# KiCad board shek.kicad_pcb (continued)
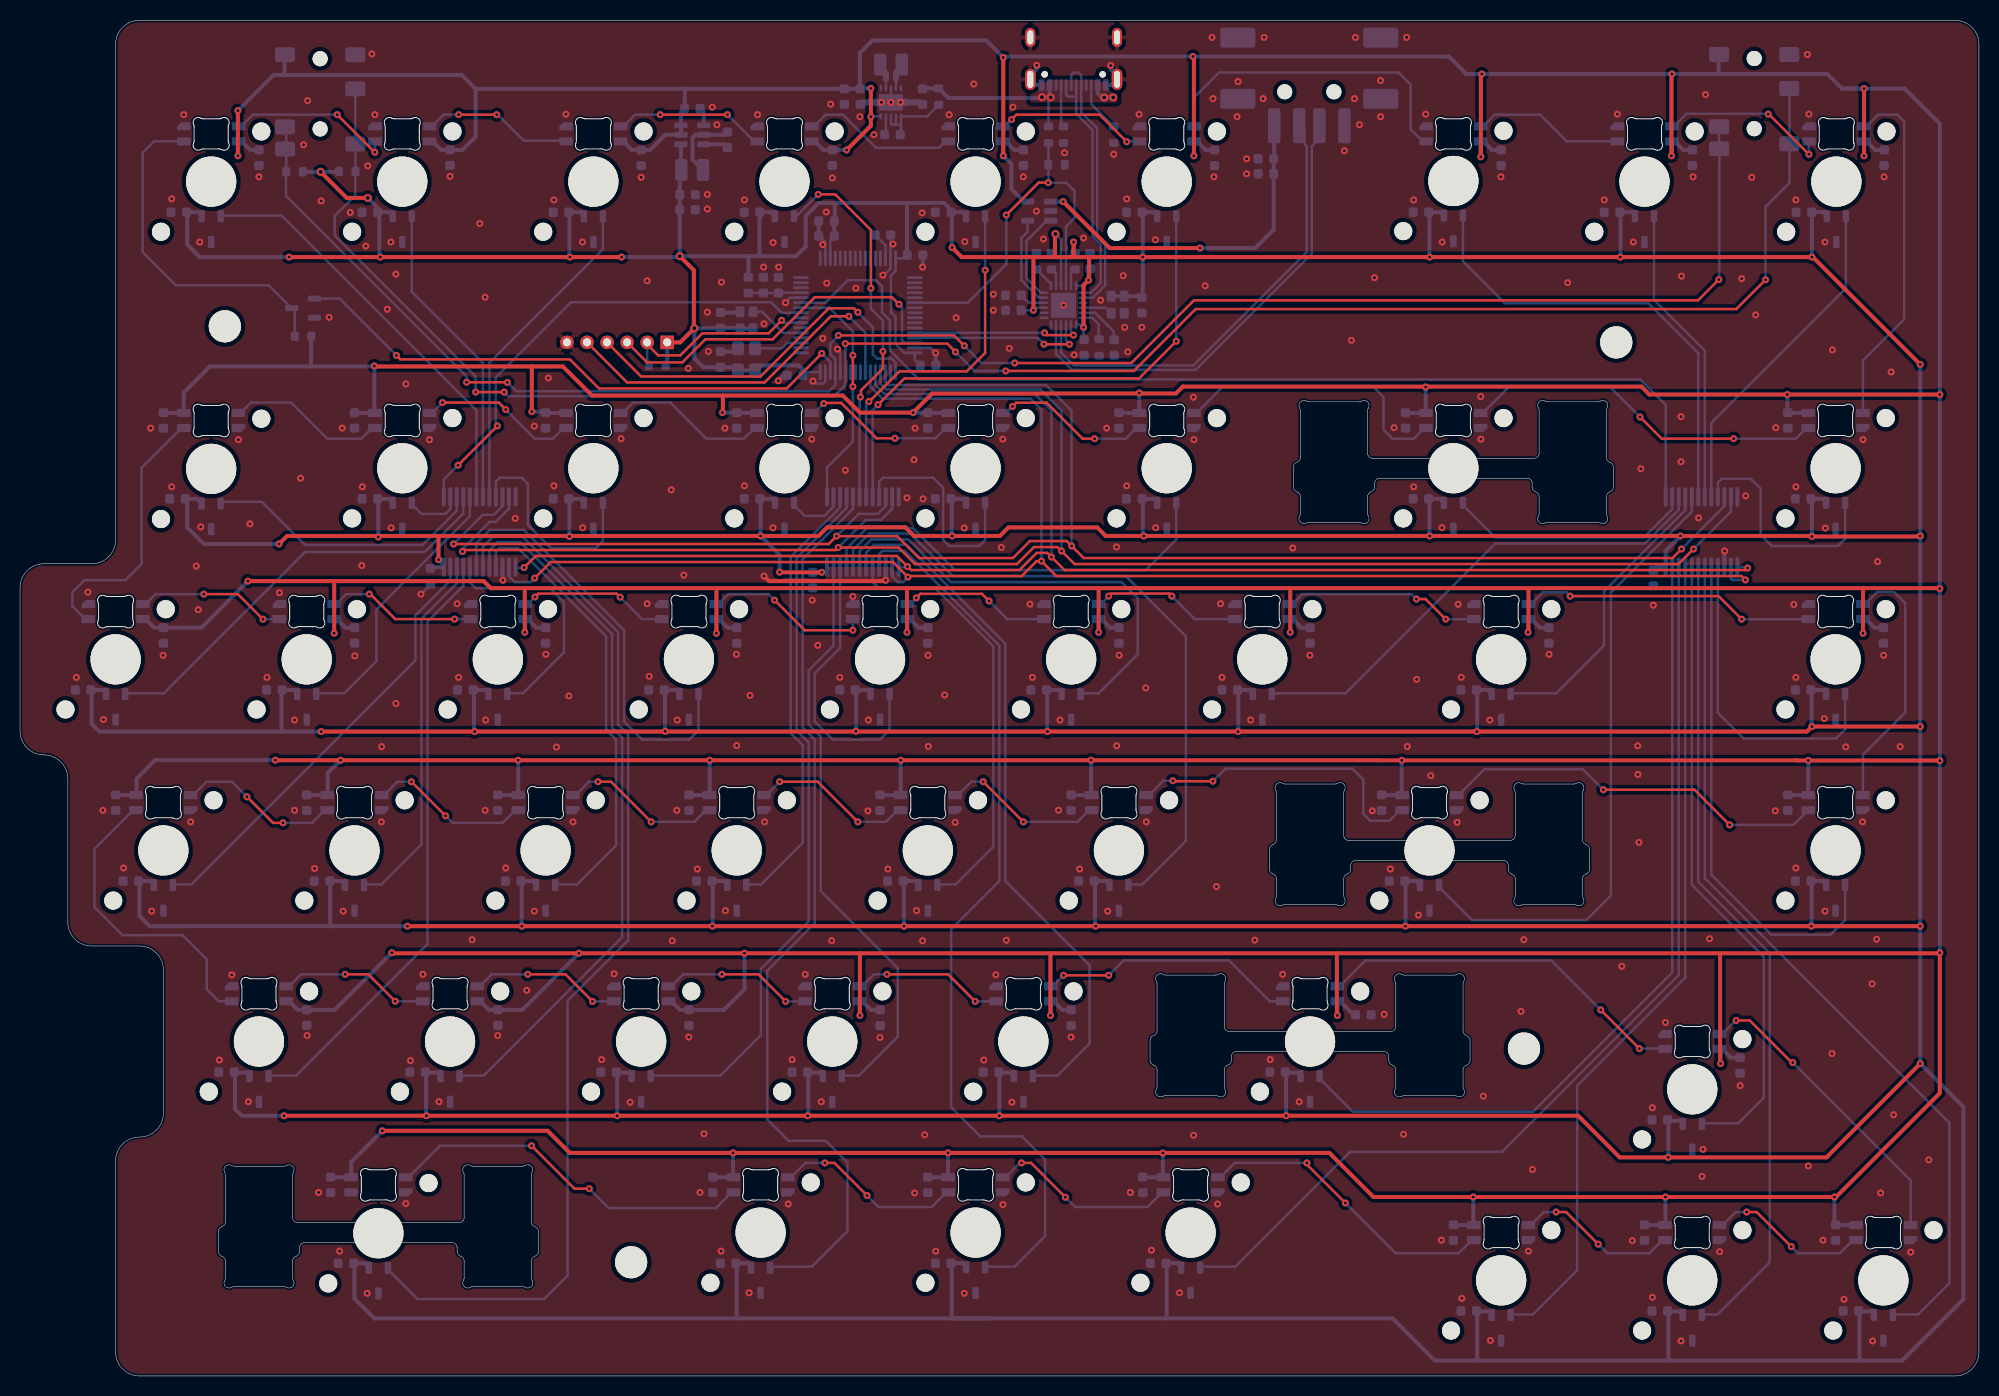
[diagram p0: board, top side]
## Footprints (pads in the part's own frame, mm; a bottom-side part is the same pattern mirrored in y, then rotated)
629104190121
  round 1.5 hole 1.5 unplated: (-2.45,2.9) (2.45,2.9)
  rrect 1.25x3.5 smd: 1(-3.5,6.28) 2(-1,6.28) 3(1,6.28) 4(3.5,6.28)
  rrect 3.5x2 smd: S1(-7.125,3.6) S2(7.125,3.6) S3(-7.125,-2.5) S4(7.125,-2.5)
AMPHENOL_12402012E212A
  round 0.65 hole 0.65 unplated: (-2.89,3.68) (2.89,3.68)
  rrect 0.6x1.14 smd: A1_B12(-3.2,4.75) A4_B9(-2.4,4.75) B1_A12(3.2,4.75) B4_A9(2.4,4.75)
  rrect 0.3x1.14 smd: A5(-1.25,4.75) A6(-0.25,4.75) A7(0.25,4.75) A8(1.25,4.75) B5(1.75,4.75) B6(0.75,4.75) B7(-0.75,4.75) B8(-1.75,4.75)
  oval 1.05x2.1 hole 0.6x1.7: SH1(-4.32,4.18) SH2(4.32,4.18)
  oval 1x1.9 hole 0.6x1.4: SH3(-4.32,0) SH4(4.32,0)
C_0603_1608Metric
  rrect 0.9x0.95 smd: 1(-0.775,0) 2(0.775,0)
Crystal_SMD_Abracon_ABM8G-4Pin_3.2x2.5mm_silkmod
  rrect 1.4x1.2 smd: 1(-1.1,-0.85) 2(1.1,-0.85) 3(1.1,0.85) 4(-1.1,0.85)
HVQFN-24-1EP_4x4mm_P0.5mm_EP2.5x2.5mm
  rrect 1.01x1.01 smd: (-0.625,-0.625) (-0.625,0.625) (0.625,-0.625) (0.625,0.625)
  rrect 0.875x0.25 smd: 1(-1.938,1.25) 2(-1.938,0.75) 3(-1.938,0.25) 4(-1.938,-0.25) 5(-1.938,-0.75) 6(-1.938,-1.25) 13(1.938,-1.25) 14(1.938,-0.75) 15(1.938,-0.25) 16(1.938,0.25) 17(1.938,0.75) 18(1.938,1.25)
  rrect 0.25x0.875 smd: 7(-1.25,-1.938) 8(-0.75,-1.938) 9(-0.25,-1.938) 10(0.25,-1.938) 11(0.75,-1.938) 12(1.25,-1.938) 19(1.25,1.938) 20(0.75,1.938) 21(0.25,1.938) 22(-0.25,1.938) 23(-0.75,1.938) 24(-1.25,1.938)
  rect 2.5x2.5 smd: 25(0,0)
L_0603_1608Metric
  rrect 0.875x0.95 smd: 1(-0.787,0) 2(0.787,0)
L_1008_2520Metric
  rrect 1.25x2.2 smd: 1(-1.075,0) 2(1.075,0)
LED_choc_6028R
  rrect 1.35x0.82 smd: 1(-2.725,-0.75) 2(-2.725,0.75) 3(2.725,-0.75) 4(2.725,0.75)
LQFP-64_10x10mm_P0.5mm
  rrect 1.55x0.3 smd: 1(-5.675,3.75) 2(-5.675,3.25) 3(-5.675,2.75) 4(-5.675,2.25) 5(-5.675,1.75) 6(-5.675,1.25) 7(-5.675,0.75) 8(-5.675,0.25) 9(-5.675,-0.25) 10(-5.675,-0.75) 11(-5.675,-1.25) 12(-5.675,-1.75) 13(-5.675,-2.25) 14(-5.675,-2.75) 15(-5.675,-3.25) 16(-5.675,-3.75) 33(5.675,-3.75) 34(5.675,-3.25) 35(5.675,-2.75) 36(5.675,-2.25) 37(5.675,-1.75) 38(5.675,-1.25) 39(5.675,-0.75) 40(5.675,-0.25) 41(5.675,0.25) 42(5.675,0.75) 43(5.675,1.25) 44(5.675,1.75) 45(5.675,2.25) 46(5.675,2.75) 47(5.675,3.25) 48(5.675,3.75)
  rrect 0.3x1.55 smd: 17(-3.75,-5.675) 18(-3.25,-5.675) 19(-2.75,-5.675) 20(-2.25,-5.675) 21(-1.75,-5.675) 22(-1.25,-5.675) 23(-0.75,-5.675) 24(-0.25,-5.675) 25(0.25,-5.675) 26(0.75,-5.675) 27(1.25,-5.675) 28(1.75,-5.675) 29(2.25,-5.675) 30(2.75,-5.675) 31(3.25,-5.675) 32(3.75,-5.675) 49(3.75,5.675) 50(3.25,5.675) 51(2.75,5.675) 52(2.25,5.675) 53(1.75,5.675) 54(1.25,5.675) 55(0.75,5.675) 56(0.25,5.675) 57(-0.25,5.675) 58(-0.75,5.675) 59(-1.25,5.675) 60(-1.75,5.675) 61(-2.25,5.675) 62(-2.75,5.675) 63(-3.25,5.675) 64(-3.75,5.675)
MountingHole_3.2mm_M3
  round 3.2 hole 3.2 unplated: (0,0)
Oscillator_SMD_SeikoEpson_SG210-4Pin_2.5x2.0mm
  rrect 1.1x0.9 smd: 1(-0.85,-0.65) 2(0.85,-0.65) 3(0.85,0.65) 4(-0.85,0.65)
PinHeader_1x06_P2.00mm_Horizontal
  rect 1.35x1.35 hole 0.8: 1(0,0)
  round 1.35 hole 0.8: 2(0,-2) 3(0,-4) 4(0,-6) 5(0,-8) 6(0,-10)
R_0603_1608Metric
  rrect 0.8x0.95 smd: 1(-0.825,0) 2(0.825,0)
SOT-23-3
  rrect 1.325x0.6 smd: 1(-1.137,0.95) 2(-1.137,-0.95) 3(1.137,0)
SOT-23-3_ChocV2-1.5U
  round 1.8 hole 1.8 unplated: (-5,-5) (5,5)
  round 5 hole 5 unplated: (0,0)
  rrect 0.65x1.22 smd far side: 1(-0.95,-3.45) 2(0.95,-3.45) 3(0,-6.01)
SOT-23-3_ChocV2-1.25U
  round 1.8 hole 1.8 unplated: (-5,-5) (5,5)
  round 5 hole 5 unplated: (0,0)
  rrect 0.65x1.22 smd far side: 1(-0.95,-3.5) 2(0.95,-3.5) 3(0,-6.01)
SOT-23-3_ChocV2-1U
  round 1.8 hole 1.8 unplated: (-5,-5) (5,5)
  round 5 hole 5 unplated: (0,0)
  rrect 0.65x1.22 smd far side: 1(-0.95,-3.45) 2(0.95,-3.45) 3(0,-6.01)
SOT-23-5
  rrect 1.325x0.6 smd: 1(-1.137,0.95) 2(-1.137,0) 3(-1.137,-0.95) 4(1.137,-0.95) 5(1.137,0.95)
SSOP-24_5.3x8.2mm_P0.65mm
  rrect 1.9x0.4 smd: 1(-3.5,3.575) 2(-3.5,2.925) 3(-3.5,2.275) 4(-3.5,1.625) 5(-3.5,0.975) 6(-3.5,0.325) 7(-3.5,-0.325) 8(-3.5,-0.975) 9(-3.5,-1.625) 10(-3.5,-2.275) 11(-3.5,-2.925) 12(-3.5,-3.575) 13(3.5,-3.575) 14(3.5,-2.925) 15(3.5,-2.275) 16(3.5,-1.625) 17(3.5,-0.975) 18(3.5,-0.325) 19(3.5,0.325) 20(3.5,0.975) 21(3.5,1.625) 22(3.5,2.275) 23(3.5,2.925) 24(3.5,3.575)
TENSILITY_54-00177
  round 1.5 hole 1.5 unplated: (0,-3.5) (0,3.5)
  rrect 2x1.5 smd: 1(3.5,-3.9) 2(-3.5,-3.9) 3(3.5,-0.5) 4(-3.5,3.3) 5(-3.5,5.5) 6(3.5,5)
Texas_DRC0010J
  rrect 0.25x0.34 smd: (-0.25,-1.53) (-0.25,1.53) (0.25,-1.53) (0.25,1.53)
  rrect 1.5x1.06 smd: (0,-0.63) (0,0.63)
  rrect 0.6x0.24 smd: 1(-1.4,1) 2(-1.4,0.5) 3(-1.4,0) 4(-1.4,-0.5) 5(-1.4,-1) 6(1.4,-1) 7(1.4,-0.5) 8(1.4,0) 9(1.4,0.5) 10(1.4,1)
  custom 1.65x3.4 smd: 11(0,0)
TSOT-23-6
  rrect 1.325x0.6 smd: 1(-1.137,0.95) 2(-1.137,0) 3(-1.137,-0.95) 4(1.137,-0.95) 5(1.137,0) 6(1.137,0.95)

## Nets
3V3: C1.2 C2.1 C4.1 C5.1 C14.1 C15.1 C17.1 C18.1 C19.1 C20.1 C21.1 C24.2 C26.2 C27.1 C28.1 C29.1 C30.1 C31.1 C32.1 C33.1 C34.1 C35.1 C36.1 C37.1 C38.1 C39.1 C40.1 C41.1 C42.1 C43.1 C44.1 C45.1 C46.1 C47.1 C48.1 C49.1 C50.1 C51.1 C52.1 C53.1 C54.1 C55.1 C56.1 C57.1 C58.1 C59.1 C60.1 C61.1 C62.1 C63.1 C64.1 C65.1 C66.1 C67.1 C68.1 C69.1 C70.1 C71.1 C72.1 C73.1 C74.1 C75.1 C76.1 C77.1 FB1.2 J4.1 L2.2 R6.1 R10.2 R11.2 R12.2 U1.1 U1.9 U1.15 U1.18 U4.1 U5.19 U5.32 U5.48 U5.64 U6.24 U7.24 U8.24 U9.1 U10.1 U11.1 U12.1 U13.1 U14.1 U15.1 U16.1 U17.1 U18.1 U19.1 U20.1 U21.1 U22.1 U23.1 U24.1 U25.1 U26.1 U27.1 U28.1 U29.1 U30.1 U31.1 U32.1 U33.1 U34.1 U35.1 U36.1 U37.1 U38.1 U39.1 U40.1 U41.1 U42.1 U43.1 U44.1 U45.1 U46.1 U47.1 U48.1 U49.1 U50.1 U51.1 U52.1 U53.1 U54.1 U55.1 U56.1 Y1.1 Y1.4 Y2.1 Y2.4 Y3.1 Y3.4
5V: C10.1 C11.1 C16.1 C78.2 C79.2 C80.2 C81.2 C82.2 C83.2 C84.2 C85.2 C86.2 C87.2 C88.2 C89.2 C90.2 C91.2 C92.2 C93.2 C94.2 C95.2 C96.2 C97.2 C98.2 C99.2 C100.2 C101.2 C102.2 C103.2 C104.2 C105.2 C106.2 C107.2 C108.2 C109.2 C110.2 C111.2 C112.2 C113.2 C114.2 C115.2 C116.2 C117.2 C118.2 C119.2 C120.2 C121.2 C122.2 C123.2 C124.2 C125.2 J3.2 J5.2 LED1.1 LED2.1 LED3.1 LED4.1 LED5.1 LED6.1 LED7.1 LED8.1 LED9.1 LED10.1 LED11.1 LED12.1 LED13.1 LED14.1 LED15.1 LED16.1 LED17.1 LED18.1 LED19.1 LED20.1 LED21.1 LED22.1 LED23.1 LED24.1 LED25.1 LED26.1 LED27.1 LED28.1 LED29.1 LED30.1 LED31.1 LED32.1 LED33.1 LED34.1 LED35.1 LED36.1 LED37.1 LED38.1 LED39.1 LED40.1 LED41.1 LED42.1 LED43.1 LED44.1 LED45.1 LED46.1 LED47.1 LED48.1 R13.2 U2.5 U3.1 U3.10 U4.2 U4.3
/VBUS2: C7.1 C8.1 J2.1 U2.1
GND: C1.1 C2.2 C3.2 C4.2 C5.2 C6.2 C7.2 C8.2 C9.2 C10.2 C11.2 C12.2 C14.2 C15.2 C16.2 C17.2 C18.2 C19.2 C20.2 C21.2 C22.2 C23.2 C24.1 C25.2 C26.1 C27.2 C28.2 C29.2 C30.2 C31.2 C32.2 C33.2 C34.2 C35.2 C36.2 C37.2 C38.2 C39.2 C40.2 C41.2 C42.2 C43.2 C44.2 C45.2 C46.2 C47.2 C48.2 C49.2 C50.2 C51.2 C52.2 C53.2 C54.2 C55.2 C56.2 C57.2 C58.2 C59.2 C60.2 C61.2 C62.2 C63.2 C64.2 C65.2 C66.2 C67.2 C68.2 C69.2 C70.2 C71.2 C72.2 C73.2 C74.2 C75.2 C76.2 C77.2 C78.1 C79.1 C80.1 C81.1 C82.1 C83.1 C84.1 C85.1 C86.1 C87.1 C88.1 C89.1 C90.1 C91.1 C92.1 C93.1 C94.1 C95.1 C96.1 C97.1 C98.1 C99.1 C100.1 C101.1 C102.1 C103.1 C104.1 C105.1 C106.1 C107.1 C108.1 C109.1 C110.1 C111.1 C112.1 C113.1 C114.1 C115.1 C116.1 C117.1 C118.1 C119.1 C120.1 C121.1 C122.1 C123.1 C124.1 C125.1 J1.A1_B12 J1.B1_A12 J1.SH1 J1.SH2 J1.SH3 J1.SH4 J2.4 J2.S1 J2.S2 J2.S3 J2.S4 J3.1 J4.6 J5.1 LED1.4 LED2.4 LED3.4 LED4.4 LED5.4 LED6.4 LED7.4 LED8.4 LED9.4 LED10.4 LED11.4 LED12.4 LED13.4 LED14.4 LED15.4 LED16.4 LED17.4 LED18.4 LED19.4 LED20.4 LED21.4 LED22.4 LED23.4 LED24.4 LED25.4 LED26.4 LED27.4 LED28.4 LED29.4 LED30.4 LED31.4 LED32.4 LED33.4 LED34.4 LED35.4 LED36.4 LED37.4 LED38.4 LED39.4 LED40.4 LED41.4 LED42.4 LED43.4 LED44.4 LED45.4 LED46.4 LED47.4 LED48.4 Q1.2 R2.1 R3.2 R4.2 R5.2 R7.2 R8.2 U1.25 U2.2 U3.3 U3.9 U3.11 U4.4 U5.12 U5.18 U5.31 U5.47 U5.60 U5.63 U6.12 U6.15 U7.12 U7.15 U8.12 U8.15 U9.3 U10.3 U11.3 U12.3 U13.3 U14.3 U15.3 U16.3 U17.3 U18.3 U19.3 U20.3 U21.3 U22.3 U23.3 U24.3 U25.3 U26.3 U27.3 U28.3 U29.3 U30.3 U31.3 U32.3 U33.3 U34.3 U35.3 U36.3 U37.3 U38.3 U39.3 U40.3 U41.3 U42.3 U43.3 U44.3 U45.3 U46.3 U47.3 U48.3 U49.3 U50.3 U51.3 U52.3 U53.3 U54.3 U55.3 U56.3 Y1.2 Y2.2 Y3.2
VBUS: C9.1 J1.A4_B9 J1.B4_A9 R1.1 R9.2 U3.5
VBUS2_EN: U1.11 U2.4
VBUS_DET: R1.2 R2.2 U1.16 U5.38
DN1_D+: U1.3 U5.45
DN1_D-: U1.2 U5.44
DN2_D+: J2.3 U1.5
DN2_D-: J2.2 U1.4
LED_D: LED1.3 Q1.3 R13.1
MUX0_A0: U6.9 U25.2
MUX0_A1: U6.8 U17.2
MUX0_A2: U6.7 U16.2
MUX0_A3: U6.6 U15.2
MUX0_A4: U6.5 U41.2
MUX0_A5: U6.4 U33.2
MUX0_A6: U6.3 U32.2
MUX0_A7: U6.2 U24.2
MUX0_A8: U6.23 U48.2
MUX0_A9: U6.22 U53.2
MUX0_A10: U6.21 U54.2
MUX0_A11: U6.20 U49.2
MUX0_A12: U6.19 U55.2
MUX0_A13: U6.18 U56.2
MUX0_A14: U6.17 U42.2
MUX0_A15: U6.16 U34.2
MUX0_COM: U5.11 U6.1
MUX1_A0: U7.9 U22.2
MUX1_A1: U7.8 U14.2
MUX1_A2: U7.7 U13.2
MUX1_A3: U7.6 U12.2
MUX1_A4: U7.5 U51.2
MUX1_A5: U7.4 U45.2
MUX1_A6: U7.3 U38.2
MUX1_A7: U7.2 U21.2
MUX1_A8: U7.23 U46.2
MUX1_A9: U7.22 U30.2
MUX1_A10: U7.21 U23.2
MUX1_A11: U7.20 U40.2
MUX1_A12: U7.19 U31.2
MUX1_A13: U7.18 U47.2
MUX1_A14: U7.17 U39.2
MUX1_A15: U7.16 U52.2
MUX1_COM: U5.10 U7.1
MUX2_A0: U8.9 U20.2
MUX2_A1: U8.8 U11.2
MUX2_A2: U8.7 U10.2
MUX2_A3: U8.6 U9.2
MUX2_A4: U8.5 U27.2
MUX2_A5: U8.4 U26.2
MUX2_A6: U8.3 U18.2
MUX2_A7: U8.2 U19.2
MUX2_A8: U8.23 U35.2
MUX2_A9: U8.22 U36.2
MUX2_A10: U8.21 U43.2
MUX2_A11: U8.20 U28.2
MUX2_A12: U8.19 U29.2
MUX2_A13: U8.18 U50.2
MUX2_A14: U8.17 U44.2
MUX2_A15: U8.16 U37.2
MUX2_COM: U5.9 U8.1
MUX_S0: U5.51 U6.10 U7.10 U8.10
MUX_S1: U5.52 U6.11 U7.11 U8.11
MUX_S2: U5.54 U6.14 U7.14 U8.14
MUX_S3: U5.53 U6.13 U7.13 U8.13
NRST: J4.2 R10.1 U5.7
OCS2: U1.12 U2.3
OSC32: U5.3 Y3.3
PH0: U5.5 Y2.3
PH1: U5.6
SCL: J3.4 J3.5 J5.4 J5.5 R12.1 U5.61
SDA: J3.3 J3.6 J5.3 J5.6 R11.1 U5.59
SWCLK: J4.4 U5.49
SWDIO: J4.3 U5.46
SWO: J4.5 U5.55
UP_D+: J1.A6 J1.B6 U1.20
UP_D-: J1.A7 J1.B7 U1.19
XTALIN: U1.22 Y1.3
XTAOUT: U1.21
Net-(J1-CC1_A): J1.A5 R3.1
Net-(J1-CC1_B): J1.B5 R4.1
Net-(LED1-DOUT): LED1.2 LED2.3
Net-(LED2-DOUT): LED2.2 LED3.3
Net-(LED3-DOUT): LED3.2 LED4.3
Net-(LED4-DOUT): LED4.2 LED5.3
Net-(LED5-DOUT): LED5.2 LED6.3
Net-(LED6-DOUT): LED6.2 LED7.3
Net-(LED7-DOUT): LED7.2 LED8.3
Net-(LED8-DOUT): LED8.2 LED9.3
Net-(LED10-DIN): LED9.2 LED10.3
Net-(LED10-DOUT): LED10.2 LED11.3
Net-(LED11-DOUT): LED11.2 LED12.3
Net-(LED12-DOUT): LED12.2 LED13.3
Net-(LED13-DOUT): LED13.2 LED14.3
Net-(LED14-DOUT): LED14.2 LED15.3
Net-(LED15-DOUT): LED15.2 LED16.3
Net-(LED16-DOUT): LED16.2 LED17.3
Net-(LED17-DOUT): LED17.2 LED18.3
Net-(LED18-DOUT): LED18.2 LED19.3
Net-(LED19-DOUT): LED19.2 LED20.3
Net-(LED20-DOUT): LED20.2 LED21.3
Net-(LED21-DOUT): LED21.2 LED22.3
Net-(LED22-DOUT): LED22.2 LED23.3
Net-(LED23-DOUT): LED23.2 LED24.3
Net-(LED24-DOUT): LED24.2 LED25.3
Net-(LED25-DOUT): LED25.2 LED26.3
Net-(LED26-DOUT): LED26.2 LED27.3
Net-(LED27-DOUT): LED27.2 LED28.3
Net-(LED28-DOUT): LED28.2 LED29.3
Net-(LED29-DOUT): LED29.2 LED30.3
Net-(LED30-DOUT): LED30.2 LED31.3
Net-(LED31-DOUT): LED31.2 LED32.3
Net-(LED32-DOUT): LED32.2 LED33.3
Net-(LED33-DOUT): LED33.2 LED34.3
Net-(LED34-DOUT): LED34.2 LED35.3
Net-(LED35-DOUT): LED35.2 LED36.3
Net-(LED36-DOUT): LED36.2 LED37.3
Net-(LED37-DOUT): LED37.2 LED38.3
Net-(LED38-DOUT): LED38.2 LED39.3
Net-(LED39-DOUT): LED39.2 LED40.3
Net-(LED40-DOUT): LED40.2 LED41.3
Net-(LED41-DOUT): LED41.2 LED42.3
Net-(LED42-DOUT): LED42.2 LED43.3
Net-(LED43-DOUT): LED43.2 LED44.3
Net-(LED44-DOUT): LED44.2 LED45.3
Net-(LED45-DOUT): LED45.2 LED46.3
Net-(LED46-DOUT): LED46.2 LED47.3
Net-(LED47-DOUT): LED47.2 LED48.3
Net-(Q1-G): Q1.1 U5.62
Net-(U1-CRFILT): C6.1 U1.10
Net-(U1-PLLFILT): C3.1 U1.23
Net-(U1-RBIAS): R5.1 U1.24
Net-(U1-SMBCLK*CFG_SEL0): R7.1 U1.14
Net-(U1-SMBDATA*NON_REM1): R8.1 U1.13
Net-(U1-SUSP_IND*LOCAL_PWR*(NON_REM0)): R6.2 U1.17
Net-(U3-EN): C12.1 R9.1 U3.6 U3.7 U3.8
Net-(U3-L1): L1.2 U3.4
Net-(U3-L2): L1.1 U3.2
Net-(U4-BST): C13.2 U4.6
Net-(U4-SW): C13.1 L2.1 U4.5
Net-(U5-VCAP_1): C25.1 U5.30
Net-(U5-VDDA): C22.1 C23.1 FB1.1 U5.13

Pads without a net: J1 A8 B8; LED48 2; U1 6 7 8; U5 1 2 4 8 14 15 16 17 20 21 22 23 24 25 26 27 28 29 33 34 35 36 37 39 40 41 42 43 50 56 57 58

## Via types
v1: diameter 0.7, hole 0.3, Top to Bottom, 594 vias
v2: diameter 0.8, hole 0.4, Top to Bottom, 9 vias

## Routing (per net, layer and track width the routed paths; a pad name or vN(x,y) marks a point on that pad's centre or on a via; arc(x,y) is an arc through that point)
3V3: length 1579.2
  Top w0.4: v1(189.41,83.74) 189.36,83.69 v1(178.61,83.69) 178.56,83.74 v1(165.51,83.74) v1(140.51,83.74) v1(112.01,83.74) 108.22,83.74 107.37,84.59 98.52,84.59 97.67,83.74 v1(92.91,83.74) 89.11,83.74 88.24,84.61 80.46,84.61 79.59,83.74 v1(73.81,83.74) 54.91,83.74 54.86,83.69 v1(54.76,83.69) 54.71,83.74 41.71,83.74 ; v2(65.76,111.63) 67.16,110.23 67.16,104.5 v2(67.21,104.45) 65.8,103.04 J4.1 ; v2(29.96,120.04) 32.56,117.44 v2(34.66,117.44) ; 41.71,83.74 35.81,83.74 v1(35.71,83.64) 35.61,83.74 26.61,83.74 v1(25.81,82.94) ; 41.71,83.74 v1(41.71,81.38) ; v1(92.91,112.49) 93.86,111.54 101.01,111.54 ; v1(26.31,25.94) v1(40.51,25.94) v1(59.51,25.94) v1(78.51,25.94) v1(97.61,25.94) v1(126.21,25.94) 155.31,25.94 159.46,21.79 v1(164.29,21.79) 180.06,21.79 v1(189.41,31.14) ; v1(101.01,106.24) 101.01,111.54 ; 101.01,111.54 103.16,111.54 ; 106.56,111.54 v1(111.91,111.54) v1(178.61,111.54) 178.71,111.54 v1(189.41,100.84) ; 106.56,111.54 105.01,111.54 ; 106.56,111.54 106.56,109.29 v1(106.51,109.24) 106.01,108.74 v1(106.01,104.54) ; v1(189.41,64.74) v1(178.61,64.74) 178.11,64.24 v1(145.21,64.24) v1(121.41,64.24) v1(102.41,64.24) v1(45.31,64.24) v1(30.01,64.24) ; v1(75.71,80.14) 75.74,80.11 v1(79.91,80.11) ; v1(38.61,44.84) v1(50.01,44.84) v1(69.01,44.84) v1(88.11,44.84) v1(107.21,44.84) v1(178.56,44.84) v1(189.41,44.84) ; 103.16,111.54 103.16,113.79 v2(103.21,113.84) ; 103.16,111.54 105.01,111.54 ; v1(59.96,111.54) v1(54.81,111.54) v1(35.91,111.54) v1(26.81,111.54) ; 105.01,111.54 v1(105.01,113.04)
  Bottom w0.25: 81.19,113.64 80.76,113.21 U5.19 ; U1.9 101.26,106.49 v1(101.01,106.24) C5.1 ; C20.1 89.19,101.29 U5.48 88.16,101.99 87.26,102.89 87.26,105.59 86.81,106.04 86.81,109.69 87.26,110.14 U5.32 88.11,111.41 C17.1 ; U1.18 105.95,108.68 v1(106.51,109.24) ; U1.1 105.75,104.8 v1(106.01,104.54) 106.01,103.31 ; U1.15 103.76,113.29 v2(103.21,113.84) ; U5.64 78.41,100.06 78.29,99.94 78.29,99.54
  Bottom w0.4: v1(59.51,25.94) 59.52,25.95 59.52,30.29 59.57,30.24 60.67,30.24 60.96,29.95 ; v1(50.01,44.84) 50,44.85 50,49.34 51.1,49.34 51.44,49 ; 41.91,29.95 41.62,30.24 40.52,30.24 40.47,30.29 40.47,25.98 v1(40.51,25.94) ; v1(26.81,111.54) 17.91,111.54 16.66,112.79 16.66,116.01 17.76,116.01 18.1,115.67 ; 26.06,64.24 7.91,64.24 7.14,65.01 7.14,68.39 8.24,68.39 8.57,68.05 ; 26.06,64.24 v1(30.01,64.24) ; 26.06,64.24 26.06,68.34 C65.1 ; 183.51,1.54 187.61,1.54 193.71,7.64 193.71,26.84 v1(189.41,31.14) v1(189.41,44.84) v1(189.41,64.74) v1(189.41,83.74) v1(189.41,100.84) ; 183.51,1.54 164.51,1.54 ; 183.51,1.54 183.31,1.54 183.35,1.58 183.35,6.48 183.39,6.44 184.49,6.44 184.79,6.14 ; v1(140.51,111.54) 140.49,111.56 140.49,116.01 141.58,116.01 141.93,115.67 ; v1(178.56,44.84) 178.59,44.86 178.59,49.34 179.69,49.34 180.02,49 ; 113.35,87.1 113.01,87.44 111.91,87.44 111.91,83.84 v1(112.01,83.74) ; C28.1 80.44,80.11 U7.24 ; 75.25,115.67 74.91,116.01 73.81,116.01 ; Y2.4 Y2.1 71.69,104.46 C24.2 69.8,104.45 v2(67.21,104.45) 67.21,101.46 68.11,100.56 C26.2 71.24,100.56 Y3.1 Y3.4 73.76,100.74 77.61,100.74 78.01,100.34 C19.1 ; 27.62,68.05 27.28,68.39 26.19,68.39 ; 160.97,115.67 160.63,116.01 159.54,116.01 159.54,111.56 v1(159.51,111.54) ; 126.2,30.29 126.21,30.28 ; 126.2,30.29 126.25,30.24 127.35,30.24 127.64,29.95 ; 126.2,30.29 126.2,25.95 v1(126.21,25.94) ; 94.3,115.67 93.96,116.01 92.86,116.01 ; 56.2,87.1 55.86,87.44 54.76,87.44 v1(54.76,83.69) ; 65.76,111.54 v2(65.76,111.63) ; v2(65.76,111.63) C14.1 C15.1 65.76,120.06 65.59,120.23 65.88,120.51 U4.1 ; v2(65.76,111.63) 65.66,111.54 v1(59.96,111.54) ; v2(65.76,111.63) 72.61,111.63 ; 72.61,111.63 72.61,109.55 FB1.2 ; 72.61,111.63 73.71,111.63 ; 115.73,10.9 115.39,11.24 114.29,11.24 114.29,5.76 114.27,5.74 ; 105.01,111.96 v1(105.01,113.04) ; 114.27,5.74 92.88,5.74 92.86,5.75 92.86,11.24 93.96,11.24 94.3,10.9 ; 114.27,5.74 136.81,5.74 141.01,1.54 145.41,1.54 ; 94.3,87.1 93.96,87.44 92.86,87.44 92.86,83.79 v1(92.91,83.74) ; 103.82,68.05 103.49,68.39 102.39,68.39 102.39,64.26 v1(102.41,64.24) ; 180.1,115.67 179.76,116.01 C30.1 178.61,115.99 v1(178.61,111.54) ; 165.74,25.19 165.49,25.44 164.39,25.44 164.3,25.53 164.31,25.51 164.31,21.95 164.29,21.93 v1(164.29,21.79) ; v1(121.41,64.24) 121.44,64.26 121.44,68.39 122.53,68.39 122.88,68.05 ; v1(97.61,25.94) 97.62,25.95 97.62,30.29 97.68,30.24 98.77,30.24 99.06,29.95 ; 64.54,100.74 64.51,100.76 J4.1 ; 180.02,87.1 179.69,87.44 178.59,87.44 178.61,87.41 v1(178.61,83.69) ; v1(26.31,25.94) 22.11,25.94 21.43,26.62 21.43,30.29 21.47,30.24 22.57,30.24 22.86,29.95 ; v1(64.31,64.26) 64.29,64.29 64.29,68.39 65.38,68.39 65.72,68.05 ; v1(78.51,25.94) 78.57,26 78.57,30.29 78.62,30.24 79.72,30.24 80.01,29.95 ; v1(75.71,80.14) 75.71,81.84 v1(73.81,83.74) 73.81,87.44 74.91,87.44 75.25,87.1 ; v1(54.81,111.54) 54.76,111.59 54.76,116.01 55.86,116.01 56.2,115.67 ; 113.35,115.67 113.01,116.01 111.91,116.01 v1(111.91,111.54) 111.91,107.61 C1.2 111.69,107.64 Y1.1 Y1.4 ; C61.1 35.64,116.46 v2(34.66,117.44) ; 30.91,44.84 12.91,44.84 11.9,45.85 11.9,49.34 13,49.34 13.34,49 ; 30.91,44.84 30.91,49.3 C67.1 ; 30.91,44.84 v1(38.61,44.84) ; 165.74,6.14 165.44,6.44 164.34,6.44 164.3,6.48 164.31,6.46 164.31,1.54 164.51,1.54 ; 34.77,10.9 34.43,11.24 33.33,11.24 33.33,7.72 35.31,5.74 96.74,5.74 ; 88.41,116.94 88.41,111.76 C17.1 ; 88.41,116.94 81.21,116.94 ; 88.41,116.94 92.11,116.94 92.86,116.19 92.86,116.01 ; 32.39,49 32.05,49.34 30.95,49.34 ; C27.1 163.14,80.64 164.04,80.64 164.04,82.26 v1(165.51,83.74) ; v1(69.01,44.84) 69.05,44.88 69.05,49.34 70.15,49.34 70.49,49 ; v1(83.31,64.26) 83.34,64.29 83.34,68.39 84.44,68.39 84.77,68.05 ; 89.54,49 89.2,49.34 88.1,49.34 88.1,44.85 v1(88.11,44.84) ; R11.2 31.74,120.04 v2(29.96,120.04) R12.2 ; v1(41.71,81.38) 42.24,80.85 U8.24 40.94,80.64 40.81,80.51 ; v1(140.51,83.74) 140.49,83.76 140.49,87.44 141.58,87.44 141.93,87.1 ; 73.71,111.63 73.71,115.99 C62.1 ; 73.71,111.63 77.36,111.63 78.31,112.59 78.31,115.64 79.61,116.94 81.21,116.94 ; 17.93,87.15 17.64,87.44 16.66,87.44 16.66,84.59 18.31,82.94 v1(25.81,82.94) ; v1(35.91,111.54) 35.81,111.64 35.81,115.91 35.71,116.01 36.81,116.01 37.15,115.67 ; 81.21,116.94 81.21,115.19 C21.1 C18.1 ; v1(145.21,64.24) 145.25,64.28 145.25,68.39 146.35,68.39 146.69,68.05 ; 72.87,10.9 72.53,11.24 71.43,11.24 71.43,5.78 71.47,5.74 ; 145.41,1.54 164.51,1.54 ; 145.41,1.54 145.25,1.54 145.25,6.48 145.29,6.44 146.38,6.44 146.69,6.14 ; 92.86,116.01 92.86,112.54 v1(92.91,112.49) ; 46.68,68.05 46.33,68.39 45.24,68.39 45.24,64.31 v1(45.31,64.24) ; 139.54,49 139.2,49.34 138.11,49.34 138.11,44.85 v1(138.09,44.84) ; v1(35.71,83.64) 35.71,87.44 36.81,87.44 37.15,87.1 ; v1(107.21,44.84) 107.15,44.9 107.15,49.34 108.25,49.34 108.59,49 ; v1(178.61,64.74) 178.61,65.09 178.59,65.11 178.59,68.39 179.69,68.39 180.02,68.05 ; 106.51,110.36 v1(106.51,109.24)
5V: length 1524
  Top w0.4: v1(70.01,96.04) 70.06,96.09 70.06,97.74 ; v1(21.71,121.64) v1(21.71,126.14) ; 102.71,42.14 83.71,42.14 ; 102.71,42.14 v1(102.71,35.94) ; 102.71,42.14 131.26,42.14 ; 83.71,42.14 v1(83.71,35.94) ; 83.71,42.14 v1(72.21,42.14) v1(55.71,42.14) 37.11,42.14 v1(37.06,42.19) ; 150.36,78.54 126.61,78.54 ; 150.36,78.54 183.71,78.54 ; 150.36,78.54 150.36,74.19 v1(150.31,74.14) ; 126.61,78.54 v1(126.61,74.14) ; 126.61,78.54 107.51,78.54 ; v1(164.61,121.64) 164.61,129.74 v1(164.66,129.79) ; v1(191.36,97.84) v1(176.16,97.84) 162.41,97.84 161.62,98.63 140.15,98.63 v1(140.11,98.59) 140.07,98.63 115.9,98.63 115.21,97.94 111.61,97.94 v1(111.56,97.99) 111.51,97.94 90.91,97.94 v1(89.01,96.04) 83.71,96.04 82.01,97.74 70.06,97.74 ; v1(169.51,31.14) 169.46,31.19 169.46,42.14 ; v1(31.31,74.04) 31.31,79.24 ; 31.31,79.24 46.21,79.24 46.91,78.54 50.31,78.54 ; 31.31,79.24 v1(22.71,79.24) ; v1(131.31,35.94) 131.26,35.99 131.26,42.14 ; v1(25.45,61.39) 25.46,61.38 v1(31.95,61.38) v1(49.65,61.38) v1(68.74,61.38) v1(87.78,61.38) 106.75,61.38 v1(106.76,61.39) 106.84,61.39 106.85,61.38 135.33,61.38 ; v1(88.41,74.14) 88.41,78.54 ; 88.41,78.54 107.51,78.54 ; 88.41,78.54 69.41,78.54 ; v1(145.71,129.79) 145.61,129.69 v1(145.61,121.54) ; v1(50.31,74.14) 50.31,78.54 ; 50.31,78.54 69.41,78.54 ; v1(116.91,131.54) 117.01,131.44 v1(117.01,121.64) ; v1(84.81,128.36) v1(84.81,125.54) 84.81,124.64 v1(82.39,122.22) ; 107.51,78.54 v1(107.51,74.14) ; 69.41,78.54 v1(69.41,74.04) ; 131.26,42.14 169.46,42.14 ; 51.01,100.64 54.11,100.64 57.01,97.74 70.06,97.74 ; 51.01,100.64 v1(51.01,96.14) ; 51.01,100.64 35.36,100.64 v1(35.31,100.69) ; v1(191.36,78.49) 191.31,78.54 183.71,78.54 ; 137.71,61.38 v1(137.72,61.37) ; 183.71,78.54 v1(183.71,74.04) ; 135.34,61.37 177.13,61.37 177.14,61.36 v1(178.25,61.36) 191.34,61.36 v1(191.36,61.34) ; v1(36.12,24.44) 52.59,24.44 54.79,22.24 v1(71.07,22.24) v1(92.51,22.24) 113.89,22.24 v1(113.91,22.22) 113.96,22.22 113.97,22.24 130.51,22.24 134.91,17.84 v1(144.86,17.84) v1(180.86,17.84) 181.01,17.84 191.36,28.19 v1(191.36,42.19) 191.31,42.14 169.46,42.14 ; v1(183.81,128.34) v1(183.81,121.64) ; v1(98.01,131.44) v1(98.01,121.64)
  Bottom w0.25: U3.10 84.84,125.56 v1(84.81,125.54)
  Bottom w0.4: C82.2 99.1,122.22 98.25,123.08 LED5.1 97.97,121.68 v1(98.01,121.64) 98.81,120.84 98.81,118.34 100.08,117.07 U2.5 ; C103.2 184.85,74.59 183.99,75.45 LED26.1 183.7,74.05 v1(183.71,74.04) ; v1(145.61,121.54) 145.6,121.55 LED7.1 145.87,123.08 146.72,122.22 C84.2 ; v1(164.61,121.64) 164.65,121.68 LED8.1 164.94,123.08 165.79,122.22 C85.2 ; 45.41,128.31 44.04,129.69 26.36,129.69 ; 45.41,128.31 45.41,123.54 44.09,122.22 C79.2 41.98,122.22 41.12,123.08 LED2.1 ; 45.41,128.31 66.26,128.31 ; v1(191.36,42.19) v1(191.36,61.34) v1(191.36,78.49) v1(191.36,97.84) 191.36,124.84 187.86,128.34 181.61,128.34 ; v1(22.71,79.24) 18.07,74.59 C95.2 13.35,74.59 12.49,75.45 LED18.1 ; LED3.1 60.13,123.08 60.99,122.22 C80.2 62.79,122.22 64.31,123.74 U4.2 U4.3 65.88,125.98 C16.1 66.26,126.36 66.26,128.31 ; C96.2 32.43,74.59 31.57,75.45 LED19.1 31.3,74.05 v1(31.31,74.04) ; v1(36.12,24.44) 33.01,21.33 33.01,19.82 LED48.1 30.98,19.8 C119.2 ; C99.2 89.57,74.59 88.71,75.45 LED22.1 88.45,74.18 v1(88.41,74.14) ; 33.34,96.03 33.36,96 LED16.1 35.31,96.06 v1(35.31,100.69) 35.26,100.64 29.01,100.64 ; C11.1 83.81,128.36 v1(84.81,128.36) ; C11.1 C10.1 66.26,128.31 ; C11.1 83.71,128.36 83.71,131.89 84.96,133.14 96.31,133.14 v1(98.01,131.44) 98.11,131.54 v1(116.91,131.54) ; C98.2 70.53,74.59 69.67,75.45 LED21.1 69.4,74.05 v1(69.41,74.04) ; LED14.1 71.46,96 C91.2 71.43,96.04 v1(70.01,96.04) ; C104.2 9.55,57.9 LED34.1 11.61,57.95 11.61,59.54 13.46,61.39 v1(25.45,61.39) ; C106.2 47.65,57.9 LED32.1 49.65,57.91 v1(49.65,61.38) 49.66,61.37 ; v1(169.51,31.14) 169.51,32.49 LED41.1 169.67,32.59 170.53,31.73 C118.2 ; v1(31.95,61.38) 30.66,60.09 30.66,57.95 LED33.1 28.6,57.9 C105.2 ; v1(176.16,97.84) 176.16,96.08 C87.2 176.24,96 LED10.1 ; v1(55.71,42.14) 50.07,36.49 C113.2 46.74,36.49 45.88,37.35 LED36.1 ; v1(107.51,74.14) 107.5,74.15 LED23.1 107.79,75.45 108.65,74.59 C100.2 ; v1(113.91,22.22) 113.91,19.84 LED45.1 111.94,19.8 C122.2 ; v1(72.21,42.14) 72.21,38.54 70.17,36.49 C114.2 65.78,36.49 64.92,37.35 LED37.1 ; v1(37.06,42.19) 31.37,36.49 C112.2 27.68,36.49 26.82,37.35 26.54,37.35 ; C117.2 132.91,36.01 131.57,37.35 LED40.1 v1(131.31,35.94) ; v1(183.81,121.64) 183.81,123.04 LED9.1 184.05,123.08 184.9,122.22 C86.2 ; 26.36,129.69 25.26,129.69 v1(21.71,126.14) ; 26.36,129.69 26.36,131.66 J3.2 ; v1(117.01,121.64) 117.02,121.65 LED6.1 117.32,123.08 118.18,122.22 C83.2 ; 181.61,128.34 180.16,129.79 169.31,129.79 ; 181.61,128.34 v1(183.81,128.34) ; 68.71,61.35 v1(68.74,61.38) 68.74,57.93 LED31.1 66.7,57.9 C107.2 ; C93.2 14.31,96 LED17.1 16.31,96.01 16.31,98.04 18.91,100.64 29.01,100.64 ; v1(180.86,17.84) 180.86,15.18 181,15.04 LED42.1 ; LED15.1 52.41,96 C92.2 52.27,96.14 v1(51.01,96.14) ; C121.2 90.51,19.8 LED46.1 92.51,19.81 v1(92.51,22.24) ; 169.31,129.79 169.31,131.69 J5.2 ; 169.31,129.79 v1(164.66,129.79) v1(145.71,129.79) 144.16,129.79 142.41,131.54 117.11,131.54 117.01,131.44 ; C116.2 103.88,36.49 103.02,37.35 LED39.1 102.74,35.96 v1(102.71,35.94) ; 137.77,61.32 v1(137.72,61.37) 137.72,57.95 LED28.1 135.76,57.9 C110.2 ; C120.2 69.08,19.8 LED47.1 71.07,19.82 v1(71.07,22.24) 71.09,22.22 ; C89.2 109.56,96 LED12.1 111.56,96.01 v1(111.56,97.99) ; C78.2 22.93,122.22 22.07,123.08 LED1.1 21.77,121.7 v1(21.71,121.64) ; v1(150.31,74.14) 150.36,74.19 LED25.1 150.64,75.45 151.5,74.59 C102.2 ; v1(83.71,35.94) 83.69,35.96 LED38.1 83.95,37.35 84.81,36.49 C115.2 ; 29.01,100.64 29.01,103.63 R13.2 ; LED13.1 90.51,96 C90.2 90.47,96.04 v1(89.01,96.04) ; C109.2 104.8,57.9 LED29.1 106.76,57.95 v1(106.76,61.39) ; C97.2 51.47,74.59 50.61,75.45 LED20.1 50.35,74.18 v1(50.31,74.14) ; v1(126.61,74.14) 126.61,75.39 LED24.1 126.85,75.45 127.71,74.59 C101.2 ; C111.2 176.24,57.9 LED27.1 178.25,57.9 v1(178.25,61.36) 178.25,61.36 ; 161.93,15.06 161.95,15.04 LED43.1 164.01,15.09 v1(164.01,17.84) 163.96,17.79 ; v1(144.86,17.84) 144.86,15.09 LED44.1 142.9,15.04 142.88,15.06 ; v1(82.39,122.22) C81.2 80.07,122.22 79.21,123.08 LED4.1 ; C108.2 85.75,57.9 LED30.1 87.78,57.92 v1(87.78,61.38) 87.76,61.36 ; v1(140.11,98.59) 140.11,96.04 LED11.1 138.14,96 C88.2
/VBUS2: length 35.3
  Top w0.4: v1(117.61,112.44) 108.61,112.44 v1(103.98,117.07)
  Bottom w0.4: v1(103.98,117.07) U2.1 ; v1(117.61,112.44) 123.11,112.44 124.96,114.29 C8.1 C7.1 125.01,121.39 J2.1
GND: length 58.7
  Top w0.4: v1(74.16,79.74) 74.66,79.24 86.2,79.24 v1(86.28,79.32)
  Bottom w0.25: U5.18 80.26,113.04 79.66,113.64 ; C12.2 86.31,123.86 U3.9 ; v1(86.01,109.74) 86.11,109.74 86.76,110.39 U5.31 86.76,113.71 ; U5.63 80.26,99.14 80.06,98.94 79.31,98.94 79.06,99.19 79.06,99.19 v1(79.04,99.17) ; U3.3 86.81,127.54 ; C29.2 40.91,78.89 v1(39.96,77.94) ; v1(91.26,101.99) 90.76,102.49 U5.47 ; v1(76.3,107) 76.3,107.03 76.76,107.49 U5.12 ; v1(81.48,102.37) 81.76,102.09 U5.60
  Bottom w0.4: J1.A1_B12 101.28,128.69 J1.SH1 100.71,129.66 101.34,130.29 v1(101.34,130.66) ; v1(91.26,101.99) 91.29,101.96 C20.2 ; v1(89.96,110.54) 89.99,110.56 89.99,111.74 ; v1(75.58,99.21) 76.11,99.74 76.54,99.74 ; 83.96,126.96 C11.2 ; v1(108.72,130.64) 108.72,130.29 109.35,129.66 J1.SH2 108.78,128.69 J1.B1_A12 ; U6.15 169.89,82.21 v1(169.91,82.24) ; C16.2 68.15,125.98 U4.4 ; C24.1 71.69,106.01 Y2.2 ; 89.76,126.96 C9.2 ; U8.15 48.09,79.35 v1(48.12,79.32) ; Y3.2 71.24,102.11 C26.1 ; 79.66,113.64 79.64,113.64 ; v1(86.28,79.32) 86.28,80.56 86.29,80.56 U7.15 ; C18.2 C21.2 ; 86.76,113.71 C25.2
  Bottom w0.6: v1(87.76,126.96) 89.76,126.96 ; v1(86.81,126.96) 83.96,126.96
  vias: v1(5.61,69.64) v1(6.76,78.14) v1(8.26,56.39) v1(8.31,65.44) v1(10.31,50.64) v1(13.01,94.49) v1(13.11,46.34) v1(14.26,71.84) v1(15.11,117.34) v1(15.11,88.64) v1(16.31,125.74) v1(17.01,55.24) v1(17.56,80.74) v1(17.76,76.39) v1(17.91,113.04) v1(18.01,84.64) v1(19.86,31.49) v1(21.11,39.99) v1(21.76,93.34) v1(22.76,27.34) v1(22.91,84.94) v1(23.81,119.54) v1(24.61,69.64) v1(25.86,78.09) v1(27.36,65.39) v1(27.36,56.39) v1(27.96,89.49) v1(28.26,122.74) v1(28.66,127.14) v1(28.61,33.94) v1(29.36,50.59) v1(29.76,18.29) v1(30.01,117.14) v1(30.81,105.54) v1(31.86,12.44) v1(32.11,94.49) v1(32.21,46.34) v1(32.91,115.99) v1(33.36,71.79) v1(34.11,88.64) v1(34.06,80.79) v1(34.46,112.64) v1(34.66,120.64) v1(34.61,8.24) v1(35.06,131.79) v1(35.36,125.74) v1(36.04,62.74) v1(36.01,55.24) v1(36.61,106.34) v1(36.96,113.04) v1(36.99,84.55) v1(37.46,109.84) v1(37.46,67.04) v1(38.46,98.89) v1(38.46,17.19) v1(38.91,31.44) v1(40.16,40.04) v1(40.81,93.34) v1(41.76,27.34) v1(42.86,119.59) v1(43.56,76.99) v1(43.71,69.64) v1(45.06,43.49) v1(45.81,114.89) v1(46.36,107.54) v1(46.41,65.39) v1(46.36,56.39) v1(47.61,33.94) v1(48.41,50.64) v1(49.36,85.49) v1(50.51,38.44) v1(51.26,94.69) v1(51.26,46.34) v1(52.41,71.94) v1(52.66,99.49) v1(53.21,117.24) v1(53.21,88.74) v1(53.47,62.69) v1(54.41,125.79) v1(54.71,67.79) v1(55.11,55.24) v1(56.06,113.04) v1(56.08,84.56) v1(57.96,31.54) v1(59.21,40.09) v1(59.91,93.44) v1(60.81,27.29) v1(61.91,119.49) v1(62.51,109.18) v1(62.51,76.99) v1(62.71,69.74) v1(64.91,88.34) v1(65.01,43.39) v1(65.46,56.39) v1(65.51,65.39) v1(66.16,79.84) v1(66.61,100.44) v1(66.66,33.79) v1(67.51,50.54) v1(67.77,18.29) v1(68.18,24.14) v1(68.51,117.79) v1(68.51,116.34) v1(68.51,106.04) v1(68.61,102.14) v1(69,126.49) v1(69.46,124.74) v1(69.91,109.04) v1(69.88,12.44) v1(70.26,94.49) v1(70.31,46.39) v1(71.41,71.94) v1(71.43,62.85) v1(72.21,117.24) v1(72.21,88.74) v1(72.68,8.29) v1(72.76,67.84) v1(73.51,125.74) v1(74.11,110.54) v1(74.16,104.89) v1(74.21,55.24) v1(75.05,84.55) v1(75.06,112.99) v1(75.61,110.54) v1(76.57,17.14) v1(76.96,31.54) v1(78.26,40.04) v1(78.91,93.39) v1(78.96,77.34) v1(79.51,72.84) v1(79.86,27.34) v1(80.01,112.79) v1(80.01,103.44) v1(80.36,116.04) v1(80.41,108.94) v1(80.81,126.79) v1(80.96,119.44) v1(80.9,43.4) v1(81.71,69.64) v1(82.26,90.29) v1(83.01,77.71) v1(83.31,108.44) v1(83.71,125.54) v1(84.51,56.34) v1(84.56,65.39) v1(85.11,123.74) v1(85.71,33.74) v1(85.86,126.96) v1(86.51,50.54) v1(87.01,112.84) v1(88.41,87.54) v1(89.11,91.34) v1(89.21,94.49) v1(89.18,18.24) v1(89.36,46.39) v1(89.91,115.94) v1(89.96,43.39) v1(90.01,87.44) v1(90.18,24.04) v1(90.51,71.84) v1(90.54,62.76) v1(91.27,12.44) v1(92.16,67.89) v1(92.61,125.74) v1(93.21,55.19) v1(93.31,105.49) v1(94.16,113.09) v1(94.11,84.54) v1(94.12,8.24) v1(95.06,128.79) v1(96.06,31.49) v1(97.01,107.84) v1(97.01,106.24) v1(97.26,39.99) v1(97.81,82.59) v1(97.96,93.39) v1(97.97,17.09) v1(98.31,43.44) v1(98.61,102.44) v1(98.96,126.49) v1(98.86,27.29) v1(100.01,119.54) v1(100.66,76.94) v1(100.91,69.64) v1(101.31,116.12) v1(102.01,113.34) v1(103.51,56.39) v1(103.66,65.39) v1(104.01,106.74) v1(104.11,121.94) v1(104.76,33.79) v1(105.07,101.79) v1(105.61,50.54) v1(106.01,113.44) v1(107.71,107.24) v1(108.31,94.49) v1(108.41,46.34) v1(109.01,121.79) v1(109.29,82.64) v1(109.31,62.82) v1(109.56,71.84) v1(109.96,109.69) v1(110.11,104.54) v1(110.31,117.34) v1(110.31,88.74) v1(110.41,102.09) v1(110.68,18.29) v1(111.54,125.77) v1(111.81,104.54) v1(112.21,68.59) v1(112.26,55.24) v1(112.77,12.54) v1(113.17,113.27) v1(113.19,84.57) v1(115.57,8.29) v1(116.96,97.57) v1(117.01,93.34) v1(116.97,23.99) v1(118.13,108.68) v1(118.81,133.44) v1(118.91,127.34) v1(119.01,119.54) v1(119.26,48.79) v1(119.38,17.14) v1(119.66,76.99) v1(119.81,69.64) v1(121.31,125.54) v1(121.41,129.04) v1(122.26,121.34) v1(122.26,119.84) v1(122.66,65.39) v1(123.08,43.45) v1(123.91,127.34) v1(124.01,133.44) v1(124.61,31.54) v1(125.86,40.04) v1(126.86,82.54) v1(127.51,27.34) v1(128.56,71.84) v1(132.01,122.14) v1(132.71,103.24) v1(133.01,127.34) v1(133.11,133.44) v1(133.51,124.74) v1(134.79,56.34) v1(135.01,109.49) v1(135.61,129.14) v1(135.61,125.54) v1(135.97,36.05) v1(136.59,50.54) v1(136.96,94.54) v1(137.91,24.09) v1(138.21,133.44) v1(138.28,62.75) v1(138.91,117.24) v1(138.91,88.64) v1(139.21,69.44) v1(139.39,45.94) v1(140.11,125.79) v1(140.62,59.85) v1(141.66,13.54) v1(141.73,84.57) v1(141.76,113.04) v1(143.24,55.19) v1(143.35,76.93) v1(143.66,69.64) v1(143.71,7.74) v1(145.6,97.64) v1(145.61,93.39) v1(145.86,27.89) v1(146.51,65.39) v1(146.56,3.54) v1(147.61,119.54) v1(149.61,36.34) v1(149.89,43.5) v1(150.36,12.44) v1(150.76,20.59) v1(152.41,71.94) v1(154.26,108.99) v1(157.91,117.24) v1(159.21,125.79) v1(159.66,40.84) v1(160.71,13.49) v1(160.81,113.04) v1(161.25,62.82) v1(161.27,59.96) v1(161.37,53.19) v1(161.56,90.44) v1(162.71,26.74) v1(162.71,7.84) v1(162.81,76.84) v1(164.01,35.24) v1(165.61,109.64) v1(165.56,95.64) v1(165.56,91.14) v1(165.56,3.49) v1(166.76,119.54) v1(167.31,85.54) v1(167.66,19.89) v1(167.76,22.59) v1(168.01,127.74) v1(168.41,43.59) v1(169.41,12.39) v1(171.46,28.94) v1(171.61,109.39) v1(172.01,87.74) v1(172.61,119.49) v1(173,105.78) v1(174.96,56.34) v1(175.01,94.54) v1(176.81,76.91) v1(177.01,117.24) v1(177.01,88.64) v1(177.01,69.64) v1(177.01,50.64) v1(178.16,131.74) v1(178.26,20.94) v1(178.31,125.79) v1(179.71,13.54) v1(179.85,65.53) v1(179.91,113.04) v1(179.94,84.52) v1(179.91,46.34) v1(180.66,102.29) v1(180.61,32.14) v1(181.81,7.64) v1(181.98,62.71) v1(183.66,55.24) v1(183.71,93.34) v1(184.61,39.09) v1(184.66,3.49) v1(185.16,81.19) v1(185.06,43.54) v1(185.46,18.24) v1(185.81,119.54) v1(185.76,71.84) v1(186.51,100.09) v1(186.76,26.04) v1(187.41,62.74) v1(188.46,12.34) v1(190.26,21.54)
